# Altium PCB CubeSat Backplane.PcbDoc (part 3 of 4)
Units mm, origin at the board's own origin, x right, y up, seen from the top; angles counter-clockwise.
Board outline 79 x 138 mm, 6 copper layers (Top Layer, H1-ODD, H1-EVEN, H2-ODD, H2-EVEN, Bottom Layer), stack 1.576 mm thick; 61 components, 140 nets, 1310 pads, 1091 vias.
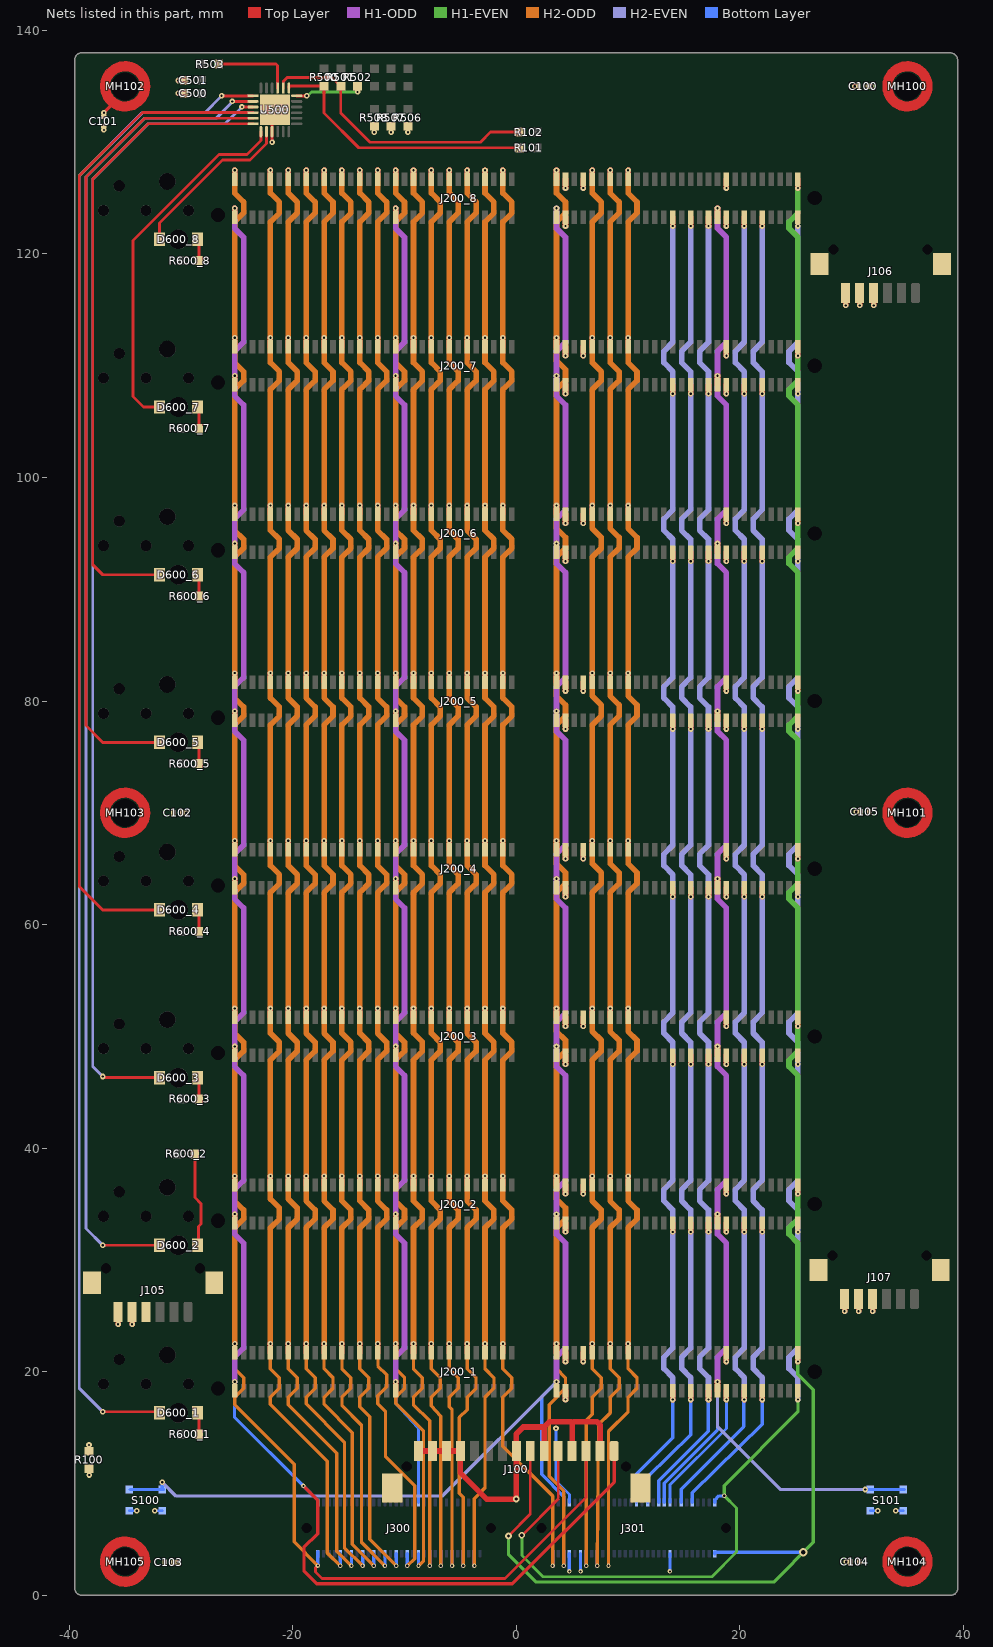
[diagram p7: the nets of this part, all layers, seen from the top]

## Via types
v1: diameter 0.5, hole 0.2, Top Layer to Bottom Layer, tented both sides, 1022 vias
v2: diameter 0.4, hole 0.2, Top Layer to Bottom Layer, tented both sides, 65 vias
v3: diameter 0.6, hole 0.3, Top Layer to Bottom Layer, tented both sides, 3 vias
v4: diameter 0.762, hole 0.406, Top Layer to Bottom Layer, tented both sides, 1 vias

## Nets (pads, with @x,y where several pads share a name; then routed paths per layer and width w, separated by ;. In a path a pad name is that pad's centre, name@x,y a point inside that pad or via, vN(x,y) a via of type N, cw(c..) or ccw(c..) an arc to the next point about the centre after c; other vN are vias at no path point) (continued)
BOT_ROW.H2-41: J200_1.91 J200_2.91 J200_3.91 J200_4.91 J200_5.91 J200_6.91 J200_7.91 J200_8.91 J301.31 | length 126.6
  Top Layer w0.5: v1(14,17.5) J200_1.91@14,18.3 ; v1(14,32.5) J200_2.91@14,33.3 ; v1(14,47.5) J200_3.91@14,48.3 ; v1(14,62.5) J200_4.91@14,63.3 ; v1(14,77.5) J200_5.91@14,78.3 ; v1(14,92.499) J200_6.91@14,93.299 ; v1(14,107.499) J200_7.91@14,108.299 ; v1(14,122.499) J200_8.91@14,123.299
  H2-EVEN w0.5: v1(14,17.5) 14,19.475 13.2,20.275 13.2,21.3 14,22.1 v1(14,32.5) 14,34.475 13.2,35.275 13.2,36.3 14,37.1 v1(14,47.5) 14,49.475 13.2,50.275 13.2,51.3 14,52.1 v1(14,62.5) 14,64.475 13.2,65.275 13.2,66.3 14,67.1 v1(14,77.5) 14,79.475 13.2,80.275 13.2,81.3 14,82.1 v1(14,92.499) 14,94.475 13.2,95.275 13.2,96.299 14,97.099 v1(14,107.499) 14,109.475 13.2,110.275 13.2,111.299 14,112.099 v1(14,122.499)
  Bottom Layer w0.3: J301.31@10.75,8.3 10.75,10.825 14,14.075 v1(14,17.5)
BOT_ROW.H2-43: J200_1.95 J200_2.95 J200_3.95 J200_4.95 J200_5.95 J200_6.95 J200_7.95 J200_8.95 J301.35 | length 126.9
  Top Layer w0.5: v1(15.6,17.5) J200_1.95@15.6,18.3 ; v1(15.6,32.5) J200_2.95@15.6,33.3 ; v1(15.6,47.5) J200_3.95@15.6,48.3 ; v1(15.6,62.5) J200_4.95@15.6,63.3 ; v1(15.6,77.5) J200_5.95@15.6,78.3 ; v1(15.6,92.499) J200_6.95@15.6,93.299 ; v1(15.6,107.499) J200_7.95@15.6,108.299 ; v1(15.6,122.499) J200_8.95@15.6,123.299
  H2-EVEN w0.5: v1(15.6,17.5) 15.6,19.475 14.8,20.275 14.8,21.3 15.6,22.1 v1(15.6,32.5) 15.6,34.475 14.8,35.275 14.8,36.3 15.6,37.1 v1(15.6,47.5) 15.6,49.475 14.8,50.275 14.8,51.3 15.6,52.1 v1(15.6,62.5) 15.6,64.475 14.8,65.275 14.8,66.3 15.6,67.1 v1(15.6,77.5) 15.6,79.475 14.8,80.275 14.8,81.3 15.6,82.1 v1(15.6,92.499) 15.6,94.475 14.8,95.275 14.8,96.299 15.6,97.099 v1(15.6,107.499) 15.6,109.475 14.8,110.275 14.8,111.299 15.6,112.099 v1(15.6,122.499)
  Bottom Layer w0.3: J301.35@11.75,8.3 11.75,10.606 15.6,14.356 v1(15.6,17.5)
BOT_ROW.H2-45: J200_1.99 J200_2.99 J200_3.99 J200_4.99 J200_5.99 J200_6.99 J200_7.99 J200_8.99 J301.39 | length 127.1
  Top Layer w0.5: v1(17.2,17.5) J200_1.99@17.2,18.3 ; v1(17.2,32.5) J200_2.99@17.2,33.3 ; v1(17.2,47.5) J200_3.99@17.2,48.3 ; v1(17.2,62.5) J200_4.99@17.2,63.3 ; v1(17.2,77.5) J200_5.99@17.2,78.3 ; v1(17.2,92.499) J200_6.99@17.2,93.299 ; v1(17.2,107.499) J200_7.99@17.2,108.299 ; v1(17.2,122.499) J200_8.99@17.2,123.299
  H2-EVEN w0.5: v1(17.2,17.5) 17.2,19.475 16.4,20.275 16.4,21.3 17.2,22.1 v1(17.2,32.5) 17.2,34.475 16.4,35.275 16.4,36.3 17.2,37.1 v1(17.2,47.5) 17.2,49.475 16.4,50.275 16.4,51.3 17.2,52.1 v1(17.2,62.5) 17.2,64.475 16.4,65.275 16.4,66.3 17.2,67.1 v1(17.2,77.5) 17.2,79.475 16.4,80.275 16.4,81.3 17.2,82.1 v1(17.2,92.499) 17.2,94.475 16.4,95.275 16.4,96.299 17.2,97.099 v1(17.2,107.499) 17.2,109.475 16.4,110.275 16.4,111.299 17.2,112.099 v1(17.2,122.499)
  Bottom Layer w0.3: J301.39@12.75,8.3 12.75,10.25 17.162,14.662 17.162,17.462 v1(17.2,17.5)
BOT_ROW.H2-49: J200_1.107 J200_2.107 J200_3.107 J200_4.107 J200_5.107 J200_6.107 J200_7.107 J200_8.107 J301.47 | length 127.6
  Top Layer w0.5: v1(20.4,47.5) J200_3.107@20.4,48.3 ; v1(20.4,92.499) J200_6.107@20.4,93.299 ; v1(20.4,107.499) J200_7.107@20.4,108.299 ; v1(20.4,122.499) J200_8.107@20.4,123.299 ; v1(20.4,17.5) J200_1.107@20.4,18.3 ; v1(20.4,32.5) J200_2.107@20.4,33.3 ; v1(20.4,62.5) J200_4.107@20.4,63.3 ; v1(20.4,77.5) J200_5.107@20.4,78.3
  H2-EVEN w0.5: v1(20.4,92.499) 20.4,94.475 19.6,95.275 19.6,96.299 20.4,97.099 v1(20.4,107.499) 20.4,109.475 19.6,110.275 19.6,111.299 20.4,112.099 v1(20.4,122.499) ; v1(20.4,17.5) 20.4,19.475 19.6,20.275 19.6,21.3 20.4,22.1 v1(20.4,32.5) 20.4,34.475 19.6,35.275 19.6,36.3 20.4,37.1 v1(20.4,47.5) 20.4,49.475 19.6,50.275 19.6,51.3 20.4,52.1 v1(20.4,62.5) 20.4,64.475 19.6,65.275 19.6,66.3 20.4,67.1 v1(20.4,77.5) 20.4,79.475 19.6,80.275 19.6,81.3 20.4,82.1 v1(20.4,92.499)
  Bottom Layer w0.3: J301.47@14.75,8.3 14.75,9.475 20.362,15.087 20.362,17.462 v1(20.4,17.5)
BOT_ROW.H2-51: J200_1.111 J200_2.111 J200_3.111 J200_4.111 J200_5.111 J200_6.111 J200_7.111 J200_8.111 J301.51 | length 127.9
  Top Layer w0.5: v1(22,17.5) J200_1.111@22,18.3 ; v1(22,47.5) J200_3.111@22,48.3 ; v1(22,77.5) J200_5.111@22,78.3 ; v1(22,92.499) J200_6.111@22,93.299 ; v1(22,107.499) J200_7.111@22,108.299 ; v1(22,122.499) J200_8.111@22,123.299 ; v1(22,32.5) J200_2.111@22,33.3 ; v1(22,62.5) J200_4.111@22,63.3
  H2-EVEN w0.5: v1(22,17.5) 22,19.475 21.2,20.275 21.2,21.3 22,22.1 v1(22,32.5) ; v1(22,47.5) 22,37.1 21.2,36.3 21.2,35.275 22,34.475 v1(22,32.5) ; v1(22,62.5) 22,52.1 21.2,51.3 21.2,50.275 22,49.475 v1(22,47.5) ; v1(22,122.499) 22,112.099 21.2,111.299 21.2,110.275 22,109.475 v1(22,107.499) 22,97.099 21.2,96.299 21.2,95.275 22,94.475 v1(22,92.499) 22,82.1 21.2,81.3 21.2,80.275 22,79.475 v1(22,77.5) 22,67.1 21.2,66.3 21.2,65.275 22,64.475 v1(22,62.5)
  Bottom Layer w0.3: J301.51@15.75,8.3 15.75,9.182 22,15.303 v1(22,17.5)
BUS_RESET: J200_1.65 J200_2.65 J200_3.65 J200_4.65 J200_5.65 J200_6.65 J200_7.65 J200_8.65 J301.5 S100.1 | length 165.4
  H1-ODD w0.5: v1(3.6,19.1) 3.6,21.3 4.4,22.1 4.4,31.5 3.6,32.3 v1(3.6,34.1) 3.6,36.3 4.4,37.1 4.4,46.5 3.6,47.3 v1(3.6,49.1) 3.6,51.3 4.4,52.1 4.4,61.5 3.6,62.3 v1(3.6,64.1) 3.6,66.3 4.4,67.1 4.4,76.5 3.6,77.3 v1(3.6,79.1) 3.6,81.3 4.4,82.1 ; v1(3.6,124.099) 3.6,122.299 4.4,121.499 4.4,112.099 3.6,111.299 v1(3.6,109.099) 3.6,107.299 4.4,106.499 4.4,97.099 3.6,96.299 v1(3.6,94.099) 3.6,92.299 4.4,91.499 4.4,82.2
  H2-EVEN w0.3: v1(-31.675,10.1) -30.45,8.875 -6.625,8.875 v1(3.6,19.1)
  Bottom Layer w0.3: S100.1@-34.525,9.45 S100.1@-31.675,9.45 -31.575,9.45 -31.562,9.463 -31.675,9.575 v1(-31.675,10.1) ; v1(3.6,19.1) 2.275,17.775 2.275,10.8 4.25,8.825 J301.5@4.25,8.3
CHS: C100.2 C101.2 C102.2 C103.2 C104.2 C105.2 J100.B J105.4 J105.B J106.4 J106.B J107.4 J107.B MH100.MH MH101.MH MH102.MH MH103.MH MH104.MH MH105.MH R100.2 | length 4.6
  Top Layer w0.254: v1@-38.221,10.755 R100.2@-38.221,11.258 ; C101.2@-36.9,132.273 v1(-36.9,132.646) ; C100.2@31.449,135.001 v1(31.822,135.001)
  Top Layer w0.3: v1(-36.9,132.646) -36.275,133.271 -36.275,133.575
  Top Layer w0.5: v1(31.875,25.4) J107.4@31.875,26.5 ; v1(31.975,115.4) J106.4@31.975,116.5
  other v1: -38.217,10.751
GND: C100.1 C101.1 C102.1 C103.1 C104.1 C105.1 C500.2 C501.2 J100.2 J100.4 J100.6 J100.8 J100.12 J100.13 J100.14 J100.15 J105.5 J105.6 J106.5 J106.6 J107.5 J107.6 J200_1.67 J200_1.68 J200_1.72 J200_1.103 J200_1.104 J200_2.67 J200_2.68 J200_2.72 J200_2.103 J200_2.104 J200_3.67 J200_3.68 J200_3.72 J200_3.103 J200_3.104 J200_4.67 J200_4.68 J200_4.72 J200_4.103 J200_4.104 J200_5.67 J200_5.68 J200_5.72 J200_5.103 J200_5.104 J200_6.67 J200_6.68 J200_6.72 J200_6.103 J200_6.104 J200_7.67 J200_7.68 J200_7.72 J200_7.103 J200_7.104 J200_8.67 J200_8.68 J200_8.72 J200_8.103 J200_8.104 J301.7 J301.8 J301.12 J301.43 J301.44 R100.1 R506.1 R507.1 R508.1 S100.2 S101.2 U500.9 U500.25 | length 104.3
  Top Layer w0.254: R100.1@-38.229,12.942 v1@-38.229,13.445 ; v1(-36.9,131.1) C101.1@-36.9,131.473 ; C103.1@-30.673,2.927 v1(-30.3,2.927) ; v1(-30.25,134.375) C500.2@-29.697,134.375 ; v1(-30.25,135.525) C501.2@-29.697,135.525 ; C102.1@-29.9,70 v1(-29.527,70) ; v1(-21.85,130) U500.25@-21.85,131.799 ; R508.1@-12.7,131.1 R508.1@-12.7,131.628 ; R507.1@-11.2,131.1 R507.1@-11.2,131.628 ; R506.1@-9.7,131.1 R506.1@-9.7,131.628 ; v1(29.527,3) C104.1@29.9,3 ; v1(30.276,135.001) C100.1@30.649,135.001 ; v1(30.427,70.1) C105.1@30.8,70.1
  Top Layer w0.5: v1(-35.625,24.25) J105.6@-35.625,25.35 ; v1(-34.375,24.25) J105.5@-34.375,25.35 ; J100.15@-8.75,12.9 J100.14@-7.5,12.9 J100.13@-6.25,12.9 J100.12@-5,12.9 -5,10.95 -2.65,8.6 v3(0,8.6) J100.8@0,12.9 0,14.425 0.625,15.05 2.5,15.05 ; J100.6@2.5,12.9 2.5,15.05 ; v1(4.4,17.5) J200_1.67@4.4,18.3 ; v1(4.4,20.9) J200_1.68@4.4,21.7 ; v1(4.4,32.5) J200_2.67@4.4,33.3 ; v1(4.4,35.9) J200_2.68@4.4,36.7 ; v1@4.4,47.5 J200_3.67@4.4,48.3 ; v1@4.4,50.9 J200_3.68@4.4,51.7 ; v1(4.4,62.5) J200_4.67@4.4,63.3 ; v1(4.4,65.9) J200_4.68@4.4,66.7 ; v1(4.4,77.5) J200_5.67@4.4,78.3 ; v1(4.4,80.9) J200_5.68@4.4,81.7 ; v1(4.4,92.499) J200_6.67@4.4,93.299 ; v1(4.4,95.899) J200_6.68@4.4,96.699 ; v1(4.4,107.499) J200_7.67@4.4,108.299 ; v1(4.4,110.899) J200_7.68@4.4,111.699 ; v1(4.4,122.499) J200_8.67@4.4,123.299 ; v1(4.4,125.899) J200_8.68@4.4,126.699 ; J100.4@5,12.9 5,15.321 5.2,15.521 7.207,15.521 7.5,15.228 J100.2@7.5,12.9 ; 5.052,15.373 4.9,15.525 2.975,15.525 2.5,15.05 ; v1(6,20.9) J200_1.72@6,21.7 ; v1(6,35.9) J200_2.72@6,36.7 ; v1@6,50.9 J200_3.72@6,51.7 ; v1(6,65.9) J200_4.72@6,66.7 ; v1(6,80.9) J200_5.72@6,81.7 ; v1(6,95.899) J200_6.72@6,96.699 ; v1(6,110.899) J200_7.72@6,111.699 ; v1(6,125.899) J200_8.72@6,126.699 ; v1(18.8,17.5) J200_1.103@18.8,18.3 ; v1(18.8,20.9) J200_1.104@18.8,21.7 ; v1(18.8,32.5) J200_2.103@18.8,33.3 ; v1(18.8,35.9) J200_2.104@18.8,36.7 ; v1(18.8,47.5) J200_3.103@18.8,48.3 ; v1@18.8,50.9 J200_3.104@18.8,51.7 ; v1(18.8,62.5) J200_4.103@18.8,63.3 ; v1(18.8,65.9) J200_4.104@18.8,66.7 ; v1(18.8,77.5) J200_5.103@18.8,78.3 ; v1(18.8,80.9) J200_5.104@18.8,81.7 ; v1(18.8,92.499) J200_6.103@18.8,93.299 ; v1(18.8,95.899) J200_6.104@18.8,96.699 ; v1(18.8,107.499) J200_7.103@18.8,108.299 ; v1(18.8,110.899) J200_7.104@18.8,111.699 ; v1(18.8,122.499) J200_8.103@18.8,123.299 ; v1(18.8,125.899) J200_8.104@18.8,126.699 ; v1(29.375,25.4) J107.6@29.375,26.5 ; v1(29.475,115.4) J106.6@29.475,116.5 ; v1(30.625,25.4) J107.5@30.625,26.5 ; v1(30.725,115.4) J106.5@30.725,116.5
  Bottom Layer w0.254: S100.2@-34.625,7.55 v1(-33.95,7.55) ; v1(-32.35,7.55) S100.2@-31.675,7.55 ; v1(3.55,14.925) 3.55,10.2 4.75,9 J301.7@4.75,8.3 ; J301.43@13.75,8.3 13.75,9.875 18.8,14.925 v1(18.8,17.5) ; S101.2@31.675,7.55 v1(32.35,7.55) ; v1(33.95,7.55) S101.2@34.625,7.55
  Bottom Layer w0.3: v2(4.75,2.125) J301.8@4.75,3.7 ; v2(5.75,2.125) J301.12@5.75,3.7 ; v2(13.75,2.125) J301.44@13.75,3.7
  other v1: -38.233,13.449 4.4,47.5 4.4,50.9 6,50.9 18.8,50.9 -12.7,130.895 -11.2,130.895 -9.7,130.895
LED1: D600_1.K U500.1 | length 135.1
  Top Layer w0.254: v1@-36.904,16.407 -36.908,16.411 -31.933,16.411 D600_1.K@-31.833,16.311 ; v1(-26.371,134.15) U500.1@-23.551,134.15
  H2-EVEN w0.254: v1(-37,16.411) -39.1,18.511 -39.1,127 -33.461,132.639 -27.861,132.639 -26.371,134.129 v1(-26.371,134.15)
LED2: D600_2.K U500.2 | length 119.4
  Top Layer w0.254: v1(-37,31.31) D600_2.K@-31.93,31.31 D600_2.K@-31.834,31.31 ; D600_2.K@-31.872,31.35 D600_2.K@-31.833,31.311 ; v1(-25.415,133.65) -24.507,133.65 ; -24.41,133.65 -24.507,133.65 ; U500.2@-23.502,133.65 -24.507,133.65
  H2-EVEN w0.254: v1(-37,31.31) -38.5,32.81 -38.5,126.9 -33.251,132.149 -26.851,132.149 -25.415,133.585 v1(-25.415,133.65)
LED3: D600_3.K U500.3 | length 102.8
  Top Layer w0.254: v1@-36.904,46.407 -36.908,46.411 -36.908,46.385 -36.833,46.31 D600_3.K@-31.93,46.31 ; D600_3.K@-31.872,46.35 D600_3.K@-31.833,46.311 ; v1(-24.547,133.156) U500.3@-23.557,133.156 ; U500.3@-23.563,133.15 U500.3@-23.557,133.156 ; U500.3@-23.551,133.15 U500.3@-23.557,133.156
  H2-EVEN w0.254: v1(-37,46.411) -37.9,47.311 -37.9,126.7 -32.95,131.65 -26.05,131.65 -24.547,133.153 v1(-24.547,133.156)
LED4: D600_4.K U500.4 | length 91.3
  Top Layer w0.254: -39.1,64.6 -39.1,63.401 ; D600_4.K@-32.303,61.783 -31.872,61.353 D600_4.K@-31.872,61.35 ; D600_4.K@-31.939,61.301 -37,61.301 -39.1,63.401 ; U500.4@-23.551,132.65 -33.45,132.65 -39.1,127 -39.1,63.401
LED5: D600_5.K U500.5 | length 75.1
  Top Layer w0.254: -38.5,79.4 -38.5,77.801 ; D600_5.K@-31.939,76.301 -37,76.301 -38.5,77.801 ; D600_5.K@-31.873,76.35 D600_5.K@-31.833,76.311 ; U500.5@-23.551,132.15 -33.25,132.15 -38.5,126.9 -38.5,77.801
LED6: D600_6.K U500.6 | length 58.3
  Top Layer w0.254: -37.9,93.2 -37.9,92.2 ; D600_6.K@-31.939,91.3 -37,91.3 -37.9,92.2 ; D600_6.K@-31.873,91.349 D600_6.K@-31.833,91.31 ; U500.6@-23.551,131.65 -32.95,131.65 -37.9,126.7 -37.9,92.2
LED7: D600_7.K U500.7 | length 32.7
  Top Layer w0.254: D600_7.K@-31.93,106.309 -31.939,106.3 -33.351,106.3 -34.3,107.249 -34.3,121.2 -26.6,128.9 -24.1,128.9 -22.85,130.15 U500.7@-22.85,130.949
LED8: D600_8.K U500.8 | length 15.1
  Top Layer w0.254: D600_8.K@-31.93,121.309 -31.93,122.77 -26.3,128.4 -23.827,128.4 -22.35,129.877 -22.35,130.577 U500.8@-22.35,130.949
NetD600_1_A: D600_1.A R600_1.1 | length 1.9
  Top Layer w0.254: D600_1.A@-28.433,16.311 -28.4,16.277 R600_1.1@-28.4,14.4
NetD600_2_A: D600_2.A R600_2.1 | length 8.5
  Top Layer w0.254: R600_2.1@-28.75,39.475 -28.75,35.575 -28.2,35.025 -28.2,33.225 -28.433,32.992 D600_2.A@-28.433,31.311 ; D600_2.A@-28.5,31.3 D600_2.A@-28.466,31.267
NetD600_3_A: D600_3.A R600_3.1 | length 1.9
  Top Layer w0.254: D600_3.A@-28.433,46.311 -28.4,46.277 R600_3.1@-28.4,44.4
NetD600_4_A: D600_4.A R600_4.1 | length 1.9
  Top Layer w0.254: D600_4.A@-28.433,61.311 -28.4,61.277 R600_4.1@-28.4,59.4
NetD600_5_A: D600_5.A R600_5.1 | length 1.9
  Top Layer w0.254: D600_5.A@-28.433,76.311 -28.4,76.277 R600_5.1@-28.4,74.4
NetD600_6_A: D600_6.A R600_6.1 | length 1.9
  Top Layer w0.254: D600_6.A@-28.433,91.31 -28.4,91.277 R600_6.1@-28.4,89.399
NetD600_7_A: D600_7.A R600_7.1 | length 1.9
  Top Layer w0.254: D600_7.A@-28.433,106.31 -28.4,106.277 R600_7.1@-28.4,104.399
NetD600_8_A: D600_8.A R600_8.1 | length 1.9
  Top Layer w0.254: D600_8.A@-28.433,121.31 -28.4,121.277 R600_8.1@-28.4,119.399
NetR503_1: R503.1 U500.21 | length 7.2
  Top Layer w0.254: R503.1@-26.5,137 -21.499,137 -21.35,136.851 U500.21@-21.35,134.851
R\S\T\: R502.1 U500.18 | length 6.1
  Top Layer w0.254: U500.18@-19.649,134.15 v1(-18.75,134.15) ; v1(-14.2,134.5) R502.1@-14.2,135.028
  H1-EVEN w0.254: v1(-18.75,134.15) -18.683,134.15 -18.333,134.5 v1(-14.2,134.5)
RBF_1: J200_1.37 J200_2.37 J200_3.37 J200_4.37 J200_5.37 J200_6.37 J200_7.37 J200_8.37 J300.37 | length 148.7
  Top Layer w0.5: J200_3.37@-10.8,48.3 v1(-10.8,49.1) ; J200_1.37@-10.8,18.3 v1(-10.8,19.1) ; J200_2.37@-10.8,33.3 v1(-10.8,34.1) ; J200_4.37@-10.8,63.3 v1(-10.8,64.1) ; J200_5.37@-10.8,78.3 v1(-10.8,79.1) ; J200_6.37@-10.8,93.299 v1(-10.8,94.099) ; J200_7.37@-10.8,108.299 v1(-10.8,109.099) ; J200_8.37@-10.8,123.299 v1(-10.8,124.099)
  H1-ODD w0.5: v1(-10.8,124.099) -10.8,122.299 -10,121.499 -10,112.099 -10.8,111.299 v1(-10.8,109.099) -10.8,107.299 -10,106.499 -10,97.099 -10.8,96.299 v1(-10.8,94.099) -10.8,92.299 -10,91.499 ; v1(-10.8,19.1) -10.8,21.3 -10,22.1 -10,31.5 -10.8,32.3 v1(-10.8,34.1) -10.8,36.3 -10,37.1 -10,46.5 -10.8,47.3 -10.8,51.3 -10,52.1 -10,61.5 -10.8,62.3 v1(-10.8,64.1) -10.8,66.3 ; -10,91.499 -10,82.1 -10.8,81.3 v1(-10.8,79.1) -10.8,77.3 ; -10.8,66.3 -10,67.1 ; -10.8,66.3 -10,67.1 ; -10.8,77.3 -10,76.5 ; -10.8,77.3 -10,76.5 ; -10,67.1 -10,76.5 ; -10,67.1 -10,76.5 ; -10,67.1 -10,76.5
  Bottom Layer w0.3: v1(-10.8,19.1) -10.8,17.15 -8.75,15 J300.37@-8.75,8.3
SCL: R101.1 R500.1 U500.19 | length 24.6
  Top Layer w0.254: U500.19@-20.35,134.851 -20.35,135.022 -20.344,135.028 R500.1@-17.2,135.028 -17.2,132.6 -14.1,129.5 R101.1@0.328,129.5
SDA: R102.1 R501.1 U500.20 | length 26.1
  Top Layer w0.254: U500.20@-20.85,134.851 -20.844,134.857 -20.844,135.448 -20.492,135.8 -16.5,135.8 -15.728,135.028 R501.1@-15.7,135.028 -15.7,132.6 -13.1,130 -3.2,130 -2.3,130.9 R102.1@0.328,130.9
SELF_TEST: J200_1.101 J200_2.101 J200_3.101 J200_4.101 J200_5.101 J200_6.101 J200_7.101 J200_8.101 J301.41 S101.1 | length 151.9
  Top Layer w0.5: J200_1.101@18,18.3 v1(18,19.1) ; J200_2.101@18,33.3 v1(18,34.1) ; J200_3.101@18,48.3 v1(18,49.1) ; J200_4.101@18,63.3 v1(18,64.1) ; J200_5.101@18,78.3 v1(18,79.1) ; J200_6.101@18,93.299 v1(18,94.099) ; J200_7.101@18,108.299 v1(18,109.099) ; J200_8.101@18,123.299 v1(18,124.099)
  H1-ODD w0.5: v1(18,19.1) 18,21.3 18.8,22.1 18.8,31.5 18,32.3 v1(18,34.1) 18,36.3 18.8,37.1 18.8,46.5 18,47.3 v1(18,49.1) 18,51.3 18.8,52.1 18.8,61.5 18,62.3 v1(18,64.1) 18,66.3 18.8,67.1 18.8,76.5 18,77.3 v1(18,79.1) 18,81.3 18.8,82.1 18.8,91.499 18,92.299 v1(18,94.099) 18,96.299 18.8,97.099 18.8,106.499 18,107.299 v1(18,109.099) 18,111.299 18.8,112.099 18.8,121.499 18,122.299 v1(18,124.099)
  H2-EVEN w0.3: v1(18,19.1) 18,15.125 23.675,9.45 v1@31.225,9.45
  Bottom Layer w0.3: J301.41@13.25,8.3 13.25,10.025 18,14.775 v1(18,19.1) ; v1(31.231,9.456) 31.234,9.453 31.772,9.453 31.775,9.45 S101.1@34.625,9.45 S101.1@34.725,9.45
SEP1: J100.1 J200_1.1 J200_2.1 J200_3.1 J200_4.1 J200_5.1 J200_6.1 J200_7.1 J200_8.1 J300.1 | length 181.9
  Top Layer w0.3: v2(-19.05,9.775) -17.773,8.498 -17.773,5.502 -19,4.275 -19,2.175 -17.85,1.025 -0.35,1.025 8.75,10.125 J100.1@8.75,12.9
  Top Layer w0.5: J200_2.1@-25.2,33.3 v1(-25.2,34.1) ; J200_3.1@-25.2,48.3 v1(-25.2,49.1) ; J200_4.1@-25.2,63.3 v1(-25.2,64.1) ; J200_5.1@-25.2,78.3 v1(-25.2,79.1) ; J200_6.1@-25.2,93.299 v1(-25.2,94.099) ; J200_7.1@-25.2,108.299 v1(-25.2,109.099) ; J200_8.1@-25.2,123.299 v1(-25.2,124.099)
  H1-ODD w0.5: v1(-25.2,19.1) -25.2,21.3 -24.4,22.1 -24.4,31.5 -25.2,32.3 -25.2,36.3 -24.4,37.1 -24.4,46.5 -25.2,47.3 -25.2,51.3 -24.4,52.1 -24.4,61.5 -25.2,62.3 -25.2,66.3 -24.4,67.1 ; v1(-25.2,124.099) -25.2,122.299 -24.4,121.499 -24.4,112.099 -25.2,111.299 -25.2,107.299 -24.4,106.499 -24.4,97.099 -25.2,96.299 -25.2,92.299 -24.4,91.499 -24.4,82.1 -25.2,81.3 -25.2,77.3 -24.4,76.5 ; -24.4,67.1 -24.4,76.5 ; -24.4,67.1 -24.4,76.5
  Bottom Layer w0.254: v1(-25.2,19.1) -25.2,15.925 -19.022,9.747 -17.798,8.523 -17.773,8.523 -17.75,8.5 J300.1@-17.75,8.3
SEP2: J100.3 J200_1.2 J200_2.2 J200_3.2 J200_4.2 J200_5.2 J200_6.2 J200_7.2 J200_8.2 J300.2 | length 172.3
  Top Layer w0.254: v2(-17.75,2.65) -17.95,2.45 -17.95,2.075 -17.375,1.5 -1,1.5 6.25,8.75 J100.3@6.25,12.9
  Top Layer w0.5: J200_2.2@-25.2,36.7 v1(-25.2,37.5) ; J200_3.2@-25.2,51.7 v1(-25.2,52.5) ; J200_4.2@-25.2,66.7 v1(-25.2,67.5) ; J200_5.2@-25.2,81.7 v1(-25.2,82.5) ; J200_6.2@-25.2,96.699 v1(-25.2,97.499) ; J200_7.2@-25.2,111.699 v1(-25.2,112.499) ; J200_8.2@-25.2,126.699 v1(-25.2,127.499)
  H2-ODD w0.3: v1(-25.2,22.5) -25.2,20.275 -24.4,19.475 -24.4,18.5 -25.2,17.7 -25.2,17.05 -19.875,11.725 -19.875,4.775 v2(-17.75,2.65)
  H2-ODD w0.5: v1(-25.2,22.5) -25.2,32.875 -24.4,33.675 -24.4,34.475 -25.2,35.275 v1(-25.2,37.5) -25.2,47.875 -24.4,48.675 -24.4,49.475 -25.2,50.275 -25.2,52.5 -25.2,62.875 -24.4,63.675 -24.4,64.475 -25.2,65.275 v1(-25.2,67.5) -25.2,77.875 -24.4,78.675 -24.4,79.475 -25.2,80.275 v1(-25.2,82.5) -25.2,92.874 -24.4,93.674 -24.4,94.475 -25.2,95.275 v1(-25.2,97.499) -25.2,107.874 -24.4,108.674 -24.4,109.475 -25.2,110.275 v1(-25.2,112.499) -25.2,122.874 -24.4,123.674 -24.4,124.649 -25.2,125.449 v1(-25.2,127.499)
  Bottom Layer w0.3: v2(-17.75,2.65) J300.2@-17.75,3.7 J300.2@-17.75,3.9
SEP3: J100.5 J200_1.119 J200_2.119 J200_3.119 J200_4.119 J200_5.119 J200_6.119 J200_7.119 J200_8.119 J301.59 | length 159.3
  Top Layer w0.254: v3(0.5,5.35) 3.75,8.6 J100.5@3.75,12.9
  H1-EVEN w0.254: v3(0.5,5.35) 0.5,3.55 2.4,1.65 17.5,1.65 19.7,3.85 19.7,7.8 v2(18.6,8.9)
  H1-EVEN w0.3: v2(18.6,8.9) 18.6,9.8 25.2,16.4 v1(25.2,17.5)
  H2-EVEN w0.5: v1(25.2,17.5) 25.2,19.475 24.4,20.275 24.4,21.3 25.2,22.1 25.2,32.5 25.2,34.475 24.4,35.275 24.4,36.3 25.2,37.1 v1(25.2,47.5) 25.2,49.475 24.4,50.275 24.4,51.3 25.2,52.1 v1(25.2,62.5) 25.2,64.475 24.4,65.275 24.4,66.3 25.2,67.1 v1(25.2,77.5) 25.2,79.475 24.4,80.275 24.4,81.3 25.2,82.1 25.2,92.499 25.2,94.475 24.4,95.275 24.4,96.299 25.2,97.099 25.2,107.499 25.2,109.475 24.4,110.275 24.4,111.299 25.2,112.099 v1@25.2,122.499
  Bottom Layer w0.3: J301.59@17.75,8.3 17.75,8.5 18.131,8.881 18.581,8.881 v2(18.6,8.9)
  other v1: 25.2,32.5 25.2,92.499 25.2,107.499 25.2,122.499
SEP4: J100.7 J200_1.120 J200_2.120 J200_3.120 J200_4.120 J200_5.120 J200_6.120 J200_7.120 J200_8.120 J301.60 | length 180.6
  Top Layer w0.254: v3(-0.7,5.3) 1.25,7.25 J100.7@1.25,12.9
  Top Layer w0.5: v1(25.2,20.9) J200_1.120@25.2,21.7 ; v1(25.2,35.9) J200_2.120@25.2,36.7 ; v1@25.2,50.9 J200_3.120@25.2,51.7 ; v1(25.2,65.9) J200_4.120@25.2,66.7 ; v1(25.2,80.9) J200_5.120@25.2,81.7 ; v1(25.2,95.899) J200_6.120@25.2,96.699 ; v1(25.2,110.899) J200_7.120@25.2,111.699 ; v1(25.2,125.899) J200_8.120@25.2,126.699
  H1-EVEN w0.3: v3(-0.7,5.3) -0.7,3.65 1.775,1.175 23.025,1.175 26.575,4.725 26.575,18.375 25.175,19.775 25.175,20.875 v1(25.2,20.9)
  H1-EVEN w0.5: v1(25.2,20.9) 25.175,20.925 25.175,31.525 24.4,32.3 24.4,32.875 25.2,33.675 v1(25.2,35.9) 25.2,46.5 24.4,47.3 24.4,47.875 25.2,48.675 v1(25.2,50.9) 25.2,61.5 24.4,62.3 24.4,62.875 25.2,63.675 v1(25.2,65.9) 25.2,76.5 24.4,77.3 24.4,77.875 25.2,78.675 ; 25.2,78.775 v1(25.2,80.9) 25.2,91.499 24.4,92.299 24.4,92.874 25.2,93.675 25.2,95.899 25.2,106.499 24.4,107.299 24.4,107.874 25.2,108.675 25.2,110.899 25.2,121.499 24.4,122.299 24.4,122.874 25.2,123.675 v1@25.2,125.899
  Bottom Layer w0.3: J301.60@17.75,3.7 17.75,3.831 v4(25.681,3.831)
TOP_ROW.H1-2: J200_1.10 J200_2.10 J200_3.10 J200_4.10 J200_5.10 J200_6.10 J200_7.10 J200_8.10 J300.10 | length 140.2
  Top Layer w0.5: J200_1.10@-22,21.7 v1@-22,22.5 ; J200_2.10@-22,36.7 v1(-22,37.5) ; J200_3.10@-22,51.7 v1(-22,52.5) ; J200_4.10@-22,66.7 v1(-22,67.5) ; J200_5.10@-22,81.7 v1(-22,82.5) ; J200_6.10@-22,96.699 v1(-22,97.499) ; J200_7.10@-22,111.699 v1(-22,112.499) ; J200_8.10@-22,126.699 v1(-22,127.499)
  H2-ODD w0.3: v1(-22,22.5) -22,20.275 -21.2,19.475 -21.2,18.5 -22,17.7 -22,17.075 -16.9,11.975 -16.9,3.775 v2(-15.75,2.625)
  H2-ODD w0.5: v1(-22,22.5) -22,32.875 -21.2,33.675 -21.2,34.65 -22,35.45 v1(-22,37.5) -22,47.875 -21.2,48.675 -21.2,49.475 -22,50.275 v1(-22,52.5) -22,62.875 -21.2,63.675 -21.2,64.475 -22,65.275 v1(-22,67.5) -22,77.875 -21.2,78.675 -21.2,79.475 -22,80.275 v1(-22,82.5) -22,92.874 -21.2,93.674 -21.2,94.475 -22,95.275 v1(-22,97.499) -22,107.874 -21.2,108.674 -21.2,109.475 -22,110.275 v1(-22,112.499) -22,122.874 -21.2,123.674 -21.2,124.649 -22,125.449 v1(-22,127.499)
  Bottom Layer w0.3: v2@-15.75,2.625 J300.10@-15.75,3.7
TOP_ROW.H1-4: J200_1.14 J200_2.14 J200_3.14 J200_4.14 J200_5.14 J200_6.14 J200_7.14 J200_8.14 J300.14 | length 140
  Top Layer w0.5: J200_3.14@-20.4,51.7 v1(-20.4,52.5) ; J200_1.14@-20.4,21.7 v1@-20.4,22.5 ; J200_2.14@-20.4,36.7 v1(-20.4,37.5) ; J200_4.14@-20.4,66.7 v1(-20.4,67.5) ; J200_5.14@-20.4,81.7 v1(-20.4,82.5) ; J200_6.14@-20.4,96.699 v1(-20.4,97.499) ; J200_7.14@-20.4,111.699 v1(-20.4,112.499) ; J200_8.14@-20.4,126.699 v1(-20.4,127.499)
  H2-ODD w0.3: v1(-20.4,22.5) -20.4,20.275 -19.6,19.475 -19.6,18.5 -20.4,17.7 -20.4,17.05 -16.05,12.7 -16.05,3.925 v2(-14.75,2.625)
  H2-ODD w0.5: -20.4,92.874 -19.6,93.674 -19.6,94.475 -20.4,95.275 v1(-20.4,97.499) -20.4,107.874 -19.6,108.674 -19.6,109.475 -20.4,110.275 v1(-20.4,112.499) -20.4,122.874 -19.6,123.674 -19.6,124.649 -20.4,125.449 v1(-20.4,127.499) ; v1(-20.4,22.5) -20.4,32.875 -19.6,33.675 -19.6,34.65 -20.4,35.45 v1(-20.4,37.5) -20.4,47.875 -19.6,48.675 -19.6,49.475 -20.4,50.275 v1(-20.4,52.5) -20.4,62.875 -19.6,63.675 -19.6,64.475 -20.4,65.275 v1(-20.4,67.5) -20.4,77.875 -19.6,78.675 -19.6,79.475 -20.4,80.275 v1(-20.4,82.5) -20.4,92.874
  Bottom Layer w0.3: v2(-14.75,2.625) J300.14@-14.75,3.7
TOP_ROW.H1-6: J200_1.18 J200_2.18 J200_3.18 J200_4.18 J200_5.18 J200_6.18 J200_7.18 J200_8.18 J300.18 | length 139.7
  Top Layer w0.5: J200_3.18@-18.8,51.7 v1(-18.8,52.5) ; J200_6.18@-18.8,96.699 v1(-18.8,97.499) ; J200_7.18@-18.8,111.699 v1(-18.8,112.499) ; J200_8.18@-18.8,126.699 v1(-18.8,127.499) ; J200_1.18@-18.8,21.7 v1@-18.8,22.5 ; J200_2.18@-18.8,36.7 v1(-18.8,37.5) ; J200_4.18@-18.8,66.7 v1(-18.8,67.5) ; J200_5.18@-18.8,81.7 v1(-18.8,82.5)
  H2-ODD w0.3: v1(-18.8,22.5) -18.8,20.275 -18,19.475 -18,18.5 -18.8,17.7 -18.8,17.125 -15.375,13.7 -15.375,4.25 v2(-13.75,2.625)
  H2-ODD w0.5: v1(-18.8,22.5) -18.8,32.875 -18,33.675 -18,34.475 -18.8,35.275 v1(-18.8,37.5) -18.8,47.875 -18,48.675 -18,49.475 -18.8,50.275 v1(-18.8,52.5) -18.8,62.875 -18,63.675 -18,64.475 -18.8,65.275 v1(-18.8,67.5) -18.8,77.875 -18,78.675 -18,79.475 -18.8,80.275 v1(-18.8,82.5) -18.8,92.874 -18,93.674 -18,94.475 -18.8,95.275 v1(-18.8,97.499) -18.8,107.874 -18,108.674 -18,109.475 -18.8,110.275 v1(-18.8,112.499) -18.8,122.874 -18,123.674 -18,124.649 -18.8,125.449 v1(-18.8,127.499)
  Bottom Layer w0.3: v2(-13.75,2.625) J300.18@-13.75,3.7
TOP_ROW.H1-8: J200_1.22 J200_2.22 J200_3.22 J200_4.22 J200_5.22 J200_6.22 J200_7.22 J200_8.22 J300.22 | length 139.5
  Top Layer w0.5: J200_1.22@-17.2,21.7 v1@-17.2,22.5 ; J200_2.22@-17.2,36.7 v1(-17.2,37.5) ; J200_3.22@-17.2,51.7 v1(-17.2,52.5) ; J200_4.22@-17.2,66.7 v1(-17.2,67.5) ; J200_5.22@-17.2,81.7 v1(-17.2,82.5) ; J200_6.22@-17.2,96.699 v1(-17.2,97.499) ; J200_7.22@-17.2,111.699 v1(-17.2,112.499) ; J200_8.22@-17.2,126.699 v1(-17.2,127.499)
  H2-ODD w0.3: v1(-17.2,22.5) -17.2,20.275 -16.4,19.475 -16.4,18.5 -17.2,17.7 -17.2,17.075 -14.675,14.55 -14.675,4.55 v2(-12.75,2.625)
  H2-ODD w0.5: v1(-17.2,22.5) -17.2,32.875 -16.4,33.675 -16.4,34.475 -17.2,35.275 v1(-17.2,37.5) -17.2,47.875 -16.4,48.675 -16.4,49.475 -17.2,50.275 v1(-17.2,52.5) -17.2,62.875 -16.4,63.675 -16.4,64.475 -17.2,65.275 v1(-17.2,67.5) -17.2,77.875 -16.4,78.675 -16.4,79.475 -17.2,80.275 v1(-17.2,82.5) -17.2,92.874 -16.4,93.674 -16.4,94.475 -17.2,95.275 v1(-17.2,97.499) -17.2,107.874 -16.4,108.674 -16.4,109.475 -17.2,110.275 v1(-17.2,112.499) -17.2,122.874 -16.4,123.674 -16.4,124.649 -17.2,125.449 v1(-17.2,127.499)
  Bottom Layer w0.3: v2(-12.75,2.625) J300.22@-12.75,3.7
TOP_ROW.H1-10: J200_1.26 J200_2.26 J200_3.26 J200_4.26 J200_5.26 J200_6.26 J200_7.26 J200_8.26 J300.26 | length 139.2
  Top Layer w0.5: J200_1.26@-15.6,21.7 v1@-15.6,22.5 ; J200_2.26@-15.6,36.7 v1(-15.6,37.5) ; J200_3.26@-15.6,51.7 v1(-15.6,52.5) ; J200_4.26@-15.6,66.7 v1(-15.6,67.5) ; J200_5.26@-15.6,81.7 v1(-15.6,82.5) ; J200_6.26@-15.6,96.699 v1@-15.6,97.499 ; J200_7.26@-15.6,111.699 v1@-15.6,112.499 ; J200_8.26@-15.6,126.699 v1@-15.6,127.499
  H2-ODD w0.3: v1(-15.6,22.5) -15.6,20.275 -14.8,19.475 -14.8,18.5 -15.6,17.7 -15.6,16.975 -13.85,15.225 -13.85,4.725 v2(-11.75,2.625)
  H2-ODD w0.5: v1(-15.6,22.5) -15.6,32.875 -14.8,33.675 -14.8,34.475 -15.6,35.275 v1(-15.6,37.5) -15.6,47.875 -14.8,48.675 -14.8,49.475 -15.6,50.275 -15.6,52.5 -15.6,62.875 -14.8,63.675 -14.8,64.475 -15.6,65.275 v1(-15.6,67.5) -15.6,77.875 -14.8,78.675 -14.8,79.475 -15.6,80.275 v1(-15.6,82.5) -15.6,92.874 -14.8,93.674 -14.8,94.475 -15.6,95.275 v1(-15.6,97.499) -15.6,107.874 -14.8,108.674 -14.8,109.475 -15.6,110.275 v1(-15.6,112.499) -15.6,122.874 -14.8,123.674 -14.8,124.649 -15.6,125.449 v1(-15.6,127.499)
  Bottom Layer w0.3: v2(-11.75,2.625) J300.26@-11.75,3.7
TOP_ROW.H1-12: J200_1.30 J200_2.30 J200_3.30 J200_4.30 J200_5.30 J200_6.30 J200_7.30 J200_8.30 J300.30 | length 139
  Top Layer w0.5: J200_1.30@-14,21.7 v1@-14,22.5 ; J200_2.30@-14,36.7 v1(-14,37.5) ; J200_3.30@-14,51.7 v1(-14,52.5) ; J200_4.30@-14,66.7 v1(-14,67.5) ; J200_5.30@-14,81.7 v1@-14,82.5 ; J200_6.30@-14,96.699 v1(-14,97.499) ; J200_7.30@-14,111.699 v1(-14,112.499) ; J200_8.30@-14,126.699 v1(-14,127.499)
  H2-ODD w0.3: v1(-14,22.5) -14,20.275 -13.2,19.475 -13.2,18.5 -14,17.7 -14,16.85 -13.125,15.975 -13.125,5 v2(-10.75,2.625)
  H2-ODD w0.5: v1(-14,22.5) -14,32.875 -13.2,33.675 -13.2,34.475 -14,35.275 -14,37.5 -14,47.875 -13.2,48.675 -13.2,49.475 -14,50.275 v1(-14,52.5) -14,62.875 -13.2,63.675 -13.2,64.475 -14,65.275 -14,67.5 -14,77.875 -13.2,78.675 -13.2,79.475 -14,80.275 v1(-14,82.5) -14,92.874 -13.2,93.674 -13.2,94.475 -14,95.275 v1(-14,97.499) -14,107.874 -13.2,108.674 -13.2,109.475 -14,110.275 v1(-14,112.499) -14,122.874 -13.2,123.674 -13.2,124.649 -14,125.449 v1(-14,127.499)
  Bottom Layer w0.3: v2(-10.75,2.625) J300.30@-10.75,3.7
TOP_ROW.H1-14: J200_1.34 J200_2.34 J200_3.34 J200_4.34 J200_5.34 J200_6.34 J200_7.34 J200_8.34 J300.34 | length 139.3
  Top Layer w0.5: J200_1.34@-12.4,21.7 v1@-12.4,22.5 ; J200_2.34@-12.4,36.7 v1(-12.4,37.5) ; J200_3.34@-12.4,51.7 v1(-12.4,52.5) ; J200_4.34@-12.4,66.7 v1(-12.4,67.5) ; J200_5.34@-12.4,81.7 v1(-12.4,82.5) ; J200_6.34@-12.4,96.699 v1(-12.4,97.499) ; J200_7.34@-12.4,111.699 v1(-12.4,112.499) ; J200_8.34@-12.4,126.699 v1(-12.4,127.499)
  H2-ODD w0.3: v1(-12.4,22.5) -12.375,22.475 -12.375,20.5 -11.6,19.725 -11.6,18.65 -12.4,17.85 -12.4,17.125 -11.7,16.425 -11.7,12.4 -9.1,9.8 -9.1,3.275 v2(-9.75,2.625)
  H2-ODD w0.5: v1(-12.4,22.5) -12.4,32.875 -11.6,33.675 -11.6,34.475 -12.4,35.275 v1(-12.4,37.5) -12.4,47.875 -11.6,48.675 -11.6,49.475 -12.4,50.275 v1(-12.4,52.5) -12.4,62.875 -11.6,63.675 -11.6,64.475 -12.4,65.275 -12.4,65.593 v1(-12.4,67.5) -12.4,77.875 -11.6,78.675 -11.6,79.475 -12.4,80.275 v1(-12.4,82.5) -12.4,92.874 -11.6,93.674 -11.6,94.475 -12.4,95.275 v1(-12.4,97.499) -12.4,107.874 -11.6,108.674 -11.6,109.475 -12.4,110.275 v1(-12.4,112.499) -12.4,122.874 -11.6,123.674 -11.6,124.649 -12.4,125.449 v1(-12.4,127.499)
  Bottom Layer w0.3: v2(-9.75,2.625) J300.34@-9.75,3.7
TOP_ROW.H1-16: J200_1.38 J200_2.38 J200_3.38 J200_4.38 J200_5.38 J200_6.38 J200_7.38 J200_8.38 J300.38 | length 138.9
  Top Layer w0.5: J200_3.38@-10.8,51.7 v1(-10.8,52.5) ; J200_1.38@-10.8,21.7 v1@-10.8,22.5 ; J200_2.38@-10.8,36.7 v1(-10.8,37.5) ; J200_4.38@-10.8,66.7 v1(-10.8,67.5) ; J200_5.38@-10.8,81.7 v1(-10.8,82.5) ; J200_6.38@-10.8,96.699 v1(-10.8,97.499) ; J200_7.38@-10.8,111.699 v1(-10.8,112.499) ; J200_8.38@-10.8,126.699 v1(-10.8,127.499)
  H2-ODD w0.3: v1(-10.8,22.5) -10.8,20.275 -10,19.475 -10,18.5 -10.8,17.7 -10.8,17.175 -8.3,14.675 -8.3,3.075 v2(-8.75,2.625)
  H2-ODD w0.5: -10.8,92.874 -10,93.674 -10,94.475 -10.8,95.275 v1(-10.8,97.499) -10.8,107.874 -10,108.674 -10,109.475 -10.8,110.275 v1(-10.8,112.499) -10.8,122.874 -10,123.674 -10,124.649 -10.8,125.449 v1(-10.8,127.499) ; v1(-10.8,22.5) -10.8,32.875 -10,33.675 -10,34.475 -10.8,35.275 v1(-10.8,37.5) -10.8,47.875 -10,48.675 -10,49.475 -10.8,50.275 v1(-10.8,52.5) -10.8,62.875 -10,63.675 -10,64.475 -10.8,65.275 v1(-10.8,67.5) -10.8,77.875 -10,78.675 -10,79.475 -10.8,80.275 v1(-10.8,82.5) -10.8,92.874
  Bottom Layer w0.3: v2(-8.75,2.625) J300.38@-8.75,3.7
TOP_ROW.H1-18: J200_1.42 J200_2.42 J200_3.42 J200_4.42 J200_5.42 J200_6.42 J200_7.42 J200_8.42 J300.42 | length 138.3
  Top Layer w0.5: J200_3.42@-9.2,51.7 v1(-9.2,52.5) ; J200_6.42@-9.2,96.699 v1(-9.2,97.499) ; J200_7.42@-9.2,111.699 v1(-9.2,112.499) ; J200_8.42@-9.2,126.699 v1(-9.2,127.499) ; J200_1.42@-9.2,21.7 v1@-9.2,22.5 ; J200_2.42@-9.2,36.7 v1(-9.2,37.5) ; J200_4.42@-9.2,66.7 v1(-9.2,67.5) ; J200_5.42@-9.2,81.7 v1(-9.2,82.5)
  H2-ODD w0.3: v1(-9.2,22.5) -9.2,20.275 -8.4,19.475 -8.4,18.5 -9.2,17.7 -9.2,17.05 -7.75,15.6 v2(-7.75,2.625)
  H2-ODD w0.5: v1(-9.2,22.5) -9.2,32.875 -8.4,33.675 -8.4,34.475 -9.2,35.275 v1(-9.2,37.5) -9.2,47.875 -8.4,48.675 -8.4,49.5 -9.2,50.3 -9.2,62.875 -8.4,63.675 -8.4,64.475 -9.2,65.275 v1(-9.2,67.5) -9.2,77.875 -8.4,78.675 -8.4,79.475 -9.2,80.275 v1(-9.2,82.5) -9.2,92.874 -8.4,93.674 -8.4,94.475 -9.2,95.275 v1(-9.2,97.499) -9.2,107.874 -8.4,108.674 -8.4,109.475 -9.2,110.275 v1(-9.2,112.499) -9.2,122.874 -8.4,123.674 -8.4,124.649 -9.2,125.449 v1(-9.2,127.499)
  Bottom Layer w0.3: v2(-7.75,2.625) J300.42@-7.75,3.7
TOP_ROW.H1-20: J200_1.46 J200_2.46 J200_3.46 J200_4.46 J200_5.46 J200_6.46 J200_7.46 J200_8.46 J300.46 | length 138
  Top Layer w0.5: J200_1.46@-7.6,21.7 v1@-7.6,22.5 ; J200_2.46@-7.6,36.7 v1(-7.6,37.5) ; J200_3.46@-7.6,51.7 v1(-7.6,52.5) ; J200_4.46@-7.6,66.7 v1(-7.6,67.5) ; J200_5.46@-7.6,81.7 v1(-7.6,82.5) ; J200_6.46@-7.6,96.699 v1(-7.6,97.499) ; J200_7.46@-7.6,111.699 v1(-7.6,112.499) ; J200_8.46@-7.6,126.699 v1(-7.6,127.499)
  H2-ODD w0.3: v1(-7.6,22.5) -7.6,20.275 -6.8,19.475 -6.8,18.5 -7.6,17.7 -7.6,16.95 -6.75,16 v2(-6.75,2.625)
  H2-ODD w0.5: v1(-7.6,22.5) -7.6,32.875 -6.8,33.675 -6.8,34.475 -7.6,35.275 v1(-7.6,37.5) -7.6,47.875 -6.8,48.675 -6.8,49.475 -7.6,50.275 -7.6,62.875 -6.8,63.675 -6.8,64.475 -7.6,65.275 v1(-7.6,67.5) -7.6,77.875 -6.8,78.675 -6.8,79.475 -7.6,80.275 v1(-7.6,82.5) -7.6,92.874 -6.8,93.674 -6.8,94.475 -7.6,95.275 v1(-7.6,97.499) -7.6,107.874 -6.8,108.674 -6.8,109.475 -7.6,110.275 v1(-7.6,112.499) -7.6,122.874 -6.8,123.674 -6.8,124.649 -7.6,125.449 v1(-7.6,127.499)
  Bottom Layer w0.3: v2(-6.75,2.625) J300.46@-6.75,3.7
TOP_ROW.H1-22: J200_1.50 J200_2.50 J200_3.50 J200_4.50 J200_5.50 J200_6.50 J200_7.50 J200_8.50 J300.50 | length 137.8
  Top Layer w0.5: J200_1.50@-6,21.7 v1@-6,22.5 ; J200_2.50@-6,36.7 v1(-6,37.5) ; J200_3.50@-6,51.7 v1(-6,52.5) ; J200_4.50@-6,66.7 v1(-6,67.5) ; J200_5.50@-6,81.7 v1(-6,82.5) ; J200_6.50@-6,96.699 v1(-6,97.499) ; J200_7.50@-6,111.699 v1(-6,112.499) ; J200_8.50@-6,126.699 v1(-6,127.499)
  H2-ODD w0.3: v1(-6,22.5) -6,20.275 -5.2,19.475 -5.2,18.5 -6,17.7 -6,16.85 -5.75,16.6 v2@-5.75,2.625
  H2-ODD w0.5: v1(-6,22.5) -6,32.875 -5.2,33.675 -5.2,34.475 -6,35.275 v1(-6,37.5) -6,47.875 -5.2,48.675 -5.2,49.475 -6,50.275 -6,62.875 -5.2,63.675 -5.2,64.475 -6,65.275 v1(-6,67.5) -6,77.875 -5.2,78.675 -5.2,79.475 -6,80.275 v1(-6,82.5) -6,92.874 -5.2,93.674 -5.2,94.475 -6,95.275 v1(-6,97.499) -6,107.874 -5.2,108.674 -5.2,109.475 -6,110.275 v1(-6,112.499) -6,122.874 -5.2,123.674 -5.2,124.649 -6,125.449 v1(-6,127.499)
  Bottom Layer w0.3: v2(-5.75,2.625) J300.50@-5.75,3.7
TOP_ROW.H1-24: J200_1.54 J200_2.54 J200_3.54 J200_4.54 J200_5.54 J200_6.54 J200_7.54 J200_8.54 J300.54 | length 138.1
  Top Layer w0.5: J200_1.54@-4.4,21.7 v1@-4.4,22.5 ; J200_2.54@-4.4,36.7 v1(-4.4,37.5) ; J200_3.54@-4.4,51.7 v1(-4.4,52.5) ; J200_4.54@-4.4,66.7 v1(-4.4,67.5) ; J200_5.54@-4.4,81.7 v1(-4.4,82.5) ; J200_6.54@-4.4,96.699 v1(-4.4,97.499) ; J200_7.54@-4.4,111.699 v1(-4.4,112.499) ; J200_8.54@-4.4,126.699 v1(-4.4,127.499)
  H2-ODD w0.3: v2(-4.75,2.625) -4.75,8.75 -5.1,9.1 -5.1,15.9 -4.4,16.6 -4.4,17.7 -3.6,18.5 -3.6,19.475 -4.4,20.275 v1(-4.4,22.5)
  H2-ODD w0.5: v1(-4.4,22.5) -4.4,32.875 -3.6,33.675 -3.6,34.475 -4.4,35.275 -4.4,47.875 -3.6,48.675 -3.6,49.475 -4.4,50.275 -4.4,62.875 -3.6,63.675 -3.6,64.475 -4.4,65.275 v1(-4.4,67.5) -4.4,77.875 -3.6,78.675 -3.6,79.475 -4.4,80.275 -4.4,92.874 -3.6,93.674 -3.6,94.475 -4.4,95.275 -4.4,107.874 -3.6,108.674 -3.6,109.475 -4.4,110.275 -4.4,122.874 -3.6,123.674 -3.6,124.649 -4.4,125.449 v1(-4.4,127.499)
  Bottom Layer w0.3: v2(-4.75,2.625) J300.54@-4.75,3.7
TOP_ROW.H1-26: J200_1.58 J200_2.58 J200_3.58 J200_4.58 J200_5.58 J200_6.58 J200_7.58 J200_8.58 J300.58 | length 138
  Top Layer w0.5: J200_1.58@-2.8,21.7 v1@-2.8,22.5 ; J200_2.58@-2.8,36.7 v1(-2.8,37.5) ; J200_3.58@-2.8,51.7 v1(-2.8,52.5) ; J200_4.58@-2.8,66.7 v1(-2.8,67.5) ; J200_5.58@-2.8,81.7 v1(-2.8,82.5) ; J200_6.58@-2.8,96.699 v1(-2.8,97.499) ; J200_7.58@-2.8,111.699 v1(-2.8,112.499) ; J200_8.58@-2.8,126.699 v1(-2.8,127.499)
  H2-ODD w0.3: v2(-3.75,2.625) -3.75,8.65 -2.8,9.6 -2.8,17.7 -2,18.5 -2,19.475 -2.8,20.275 v1(-2.8,22.5)
  H2-ODD w0.5: v1(-2.8,22.5) -2.8,32.875 -2,33.675 -2,34.475 -2.8,35.275 v1(-2.8,37.5) -2.8,47.875 -2,48.675 -2,49.475 -2.8,50.275 -2.8,62.875 -2,63.675 -2,64.475 -2.8,65.275 v1(-2.8,67.5) -2.8,77.875 -2,78.675 -2,79.475 -2.8,80.275 v1(-2.8,82.5) -2.8,92.874 -2,93.674 -2,94.475 -2.8,95.275 v1(-2.8,97.499) -2.8,107.874 -2,108.674 -2,109.475 -2.8,110.275 v1(-2.8,112.499) -2.8,122.874 -2,123.674 -2,124.649 -2.8,125.449 v1(-2.8,127.499)
  Bottom Layer w0.3: v2(-3.75,2.625) J300.58@-3.75,3.7
TOP_ROW.H1-28: J200_1.62 J200_2.62 J200_3.62 J200_4.62 J200_5.62 J200_6.62 J200_7.62 J200_8.62 J301.2 | length 141.5
  Top Layer w0.5: J200_1.62@-1.2,21.7 v1@-1.2,22.5 ; J200_2.62@-1.2,36.7 v1(-1.2,37.5) ; J200_3.62@-1.2,51.7 v1(-1.2,52.5) ; J200_4.62@-1.2,66.7 v1(-1.2,67.5) ; J200_5.62@-1.2,81.7 v1(-1.2,82.5) ; J200_6.62@-1.2,96.699 v1(-1.2,97.499) ; J200_7.62@-1.2,111.699 v1(-1.2,112.499) ; J200_8.62@-1.2,126.699 v1(-1.2,127.499)
  H2-ODD w0.3: v1(-1.2,22.5) -1.2,20.275 -0.4,19.475 -0.4,18.5 -1.2,17.7 -1.2,13.325 3.25,8.875 v2(3.25,2.625)
  H2-ODD w0.5: -1.2,92.874 -0.4,93.674 -0.4,94.475 -1.2,95.275 -1.2,107.874 -0.4,108.674 -0.4,109.475 -1.2,110.275 -1.2,122.874 -0.4,123.674 -0.4,124.649 -1.2,125.449 v1(-1.2,127.499) ; v1(-1.2,22.5) -1.2,32.875 -0.4,33.675 -0.4,34.475 -1.2,35.275 -1.2,47.875 -0.4,48.675 -0.4,49.475 -1.2,50.275 -1.2,62.875 -0.4,63.675 -0.4,64.475 -1.2,65.275 -1.2,65.593 ; -1.2,65.45 -1.2,65.593 ; v1(-1.2,67.5) -1.2,65.593 ; -1.2,92.874 -1.2,80.275 -0.4,79.475 -0.4,78.675 -1.2,77.875 -1.2,65.593
  Bottom Layer w0.3: v2(3.25,2.625) J301.2@3.25,3.7
TOP_ROW.H1-30: J200_1.66 J200_2.66 J200_3.66 J200_4.66 J200_5.66 J200_6.66 J200_7.66 J200_8.66 J301.6 | length 138.5
  Top Layer w0.5: J200_1.66@3.6,21.7 v1@3.6,22.5 ; J200_2.66@3.6,36.7 v1(3.6,37.5) ; J200_3.66@3.6,51.7 v1@3.6,52.5 ; J200_4.66@3.6,66.7 v1(3.6,67.5) ; J200_5.66@3.6,81.7 v1(3.6,82.5) ; J200_6.66@3.6,96.699 v1(3.6,97.499) ; J200_7.66@3.6,111.699 v1(3.6,112.499) ; J200_8.66@3.6,126.699 v1(3.6,127.499)
  H2-ODD w0.3: v1(3.6,22.5) 3.6,20.275 4.4,19.475 4.4,18.5 2.95,17.05 2.95,10.625 4.25,9.325 v2@4.25,2.625
  H2-ODD w0.5: v1(3.6,22.5) 3.6,32.875 4.4,33.675 4.4,34.65 3.6,35.45 v1(3.6,37.5) 3.6,47.875 4.4,48.675 4.4,49.65 3.6,50.45 3.6,52.5 3.6,62.875 4.4,63.675 4.4,64.65 3.6,65.45 v1(3.6,67.5) 3.6,77.875 4.4,78.675 4.4,79.65 3.6,80.45 v1(3.6,82.5) 3.6,92.875 4.4,93.674 4.4,94.649 3.6,95.449 3.6,97.499 3.6,107.874 4.4,108.674 4.4,109.649 3.6,110.449 3.6,112.499 3.6,122.874 4.4,123.674 4.4,124.649 3.6,125.449 v1@3.6,127.499
  Bottom Layer w0.3: v2(4.25,2.625) J301.6@4.25,3.7
  other v1: 3.6,52.5
TOP_ROW.H1-34: J200_1.74 J200_2.74 J200_3.74 J200_4.74 J200_5.74 J200_6.74 J200_7.74 J200_8.74 J301.14 | length 137.9
  Top Layer w0.5: J200_1.74@6.8,21.7 v1@6.8,22.5 ; J200_2.74@6.8,36.7 v1@6.8,37.5 ; J200_3.74@6.8,51.7 v1(6.8,52.5) ; J200_4.74@6.8,66.7 v1@6.8,67.5 ; J200_5.74@6.8,81.7 v1(6.8,82.5) ; J200_6.74@6.8,96.699 v1(6.8,97.499) ; J200_7.74@6.8,111.699 v1(6.8,112.499) ; J200_8.74@6.8,126.699 v1(6.8,127.499)
  H2-ODD w0.3: v2(6.25,2.625) 6.25,15.65 6.8,16.2 6.8,17.7 7.6,18.5 7.6,19.475 6.8,20.275 v1(6.8,22.5)
  H2-ODD w0.5: v1(6.8,22.5) 6.8,32.875 7.6,33.675 7.6,34.475 6.8,35.275 v1(6.8,37.5) 6.8,47.875 7.6,48.675 7.6,49.65 6.8,50.45 6.8,62.875 7.6,63.675 7.6,64.65 6.8,65.45 v1(6.8,67.5) 6.8,77.875 7.6,78.675 7.6,79.65 6.8,80.45 v1(6.8,82.5) 6.8,92.875 7.6,93.674 7.6,94.649 6.8,95.449 v1(6.8,97.499) 6.8,107.874 7.6,108.674 7.6,109.475 6.8,110.275 v1(6.8,112.499) 6.8,122.874 7.6,123.674 7.6,124.649 6.8,125.449 v1(6.8,127.499)
  Bottom Layer w0.3: v2(6.25,2.625) J301.14@6.25,3.7
TOP_ROW.H1-36: J200_1.78 J200_2.78 J200_3.78 J200_4.78 J200_5.78 J200_6.78 J200_7.78 J200_8.78 J301.18 | length 138.1
  Top Layer w0.5: J200_1.78@8.4,21.7 v1@8.4,22.5 ; J200_2.78@8.4,36.7 v1(8.4,37.5) ; J200_3.78@8.4,51.7 v1(8.4,52.5) ; J200_4.78@8.4,66.7 v1(8.4,67.5) ; J200_5.78@8.4,81.7 v1(8.4,82.5) ; J200_6.78@8.4,96.699 v1(8.4,97.499) ; J200_7.78@8.4,111.699 v1(8.4,112.499) ; J200_8.78@8.4,126.699 v1(8.4,127.499)
  H2-ODD w0.3: v2(7.25,2.625) 7.35,15.25 8.4,16.3 8.4,17.7 9.2,18.5 9.2,19.475 8.4,20.275 v1(8.4,22.5)
  H2-ODD w0.5: v1(8.4,22.5) 8.4,32.875 9.2,33.675 9.2,34.475 8.4,35.275 v1(8.4,37.5) 8.4,47.875 9.2,48.675 9.2,49.65 8.4,50.45 8.4,62.875 9.2,63.675 9.2,64.65 8.4,65.45 v1(8.4,67.5) 8.4,77.875 9.2,78.675 9.2,79.65 8.4,80.45 v1(8.4,82.5) 8.4,92.875 9.2,93.674 9.2,94.649 8.4,95.449 v1(8.4,97.499) 8.4,107.874 9.2,108.674 9.2,109.475 8.4,110.275 v1(8.4,112.499) 8.4,122.874 9.2,123.674 9.2,124.649 8.4,125.449 v1(8.4,127.499)
  Bottom Layer w0.3: v2(7.25,2.625) J301.18@7.25,3.7
TOP_ROW.H1-38: J200_1.82 J200_2.82 J200_3.82 J200_4.82 J200_5.82 J200_6.82 J200_7.82 J200_8.82 J301.22 | length 138.4
  Top Layer w0.5: J200_3.82@10,51.7 v1(10,52.5) ; J200_1.82@10,21.7 v1@10,22.5 ; J200_2.82@10,36.7 v1(10,37.5) ; J200_4.82@10,66.7 v1(10,67.5) ; J200_5.82@10,81.7 v1(10,82.5) ; J200_6.82@10,96.699 v1(10,97.499) ; J200_7.82@10,111.699 v1(10,112.499) ; J200_8.82@10,126.699 v1(10,127.499)
  H2-ODD w0.3: v2(8.25,2.625) 8.25,14.65 10,16.4 10,17.7 10.8,18.5 10.8,19.475 10,20.275 v1(10,22.5)
  H2-ODD w0.5: v1(10,127.499) 10,125.449 10.8,124.649 10.8,123.674 10,122.874 v1(10,112.499) 10,110.275 10.8,109.475 10.8,108.674 10,107.874 v1(10,97.499) 10,95.449 10.8,94.649 10.8,93.674 10,92.875 v1(10,82.5) 10,80.45 10.8,79.65 10.8,78.675 10,77.875 v1(10,67.5) 10,65.45 10.8,64.65 10.8,63.675 10,62.875 10,50.45 10.8,49.65 10.8,48.675 10,47.875 v1(10,37.5) 10,35.275 10.8,34.475 10.8,33.675 10,32.875 v1(10,22.5)
  Bottom Layer w0.3: v2(8.25,2.625) J301.22@8.25,3.7